# Altium PCB IMX6 DEV BOARD.PcbDoc (part 5 of 12)
Units mm, origin at the board's own origin, x right, y up, seen from the top; angles counter-clockwise.
Board outline 72.05 x 100.23 mm, 8 copper layers (Top Layer, GND 1, Inner 2, PWR 1, PWR 2, Inner 5, GND2, Bottom Layer), stack 1.463 mm thick; 691 components, 568 nets, 3028 pads, 1624 vias.
Unrouted connection lines stored in the file: 1.
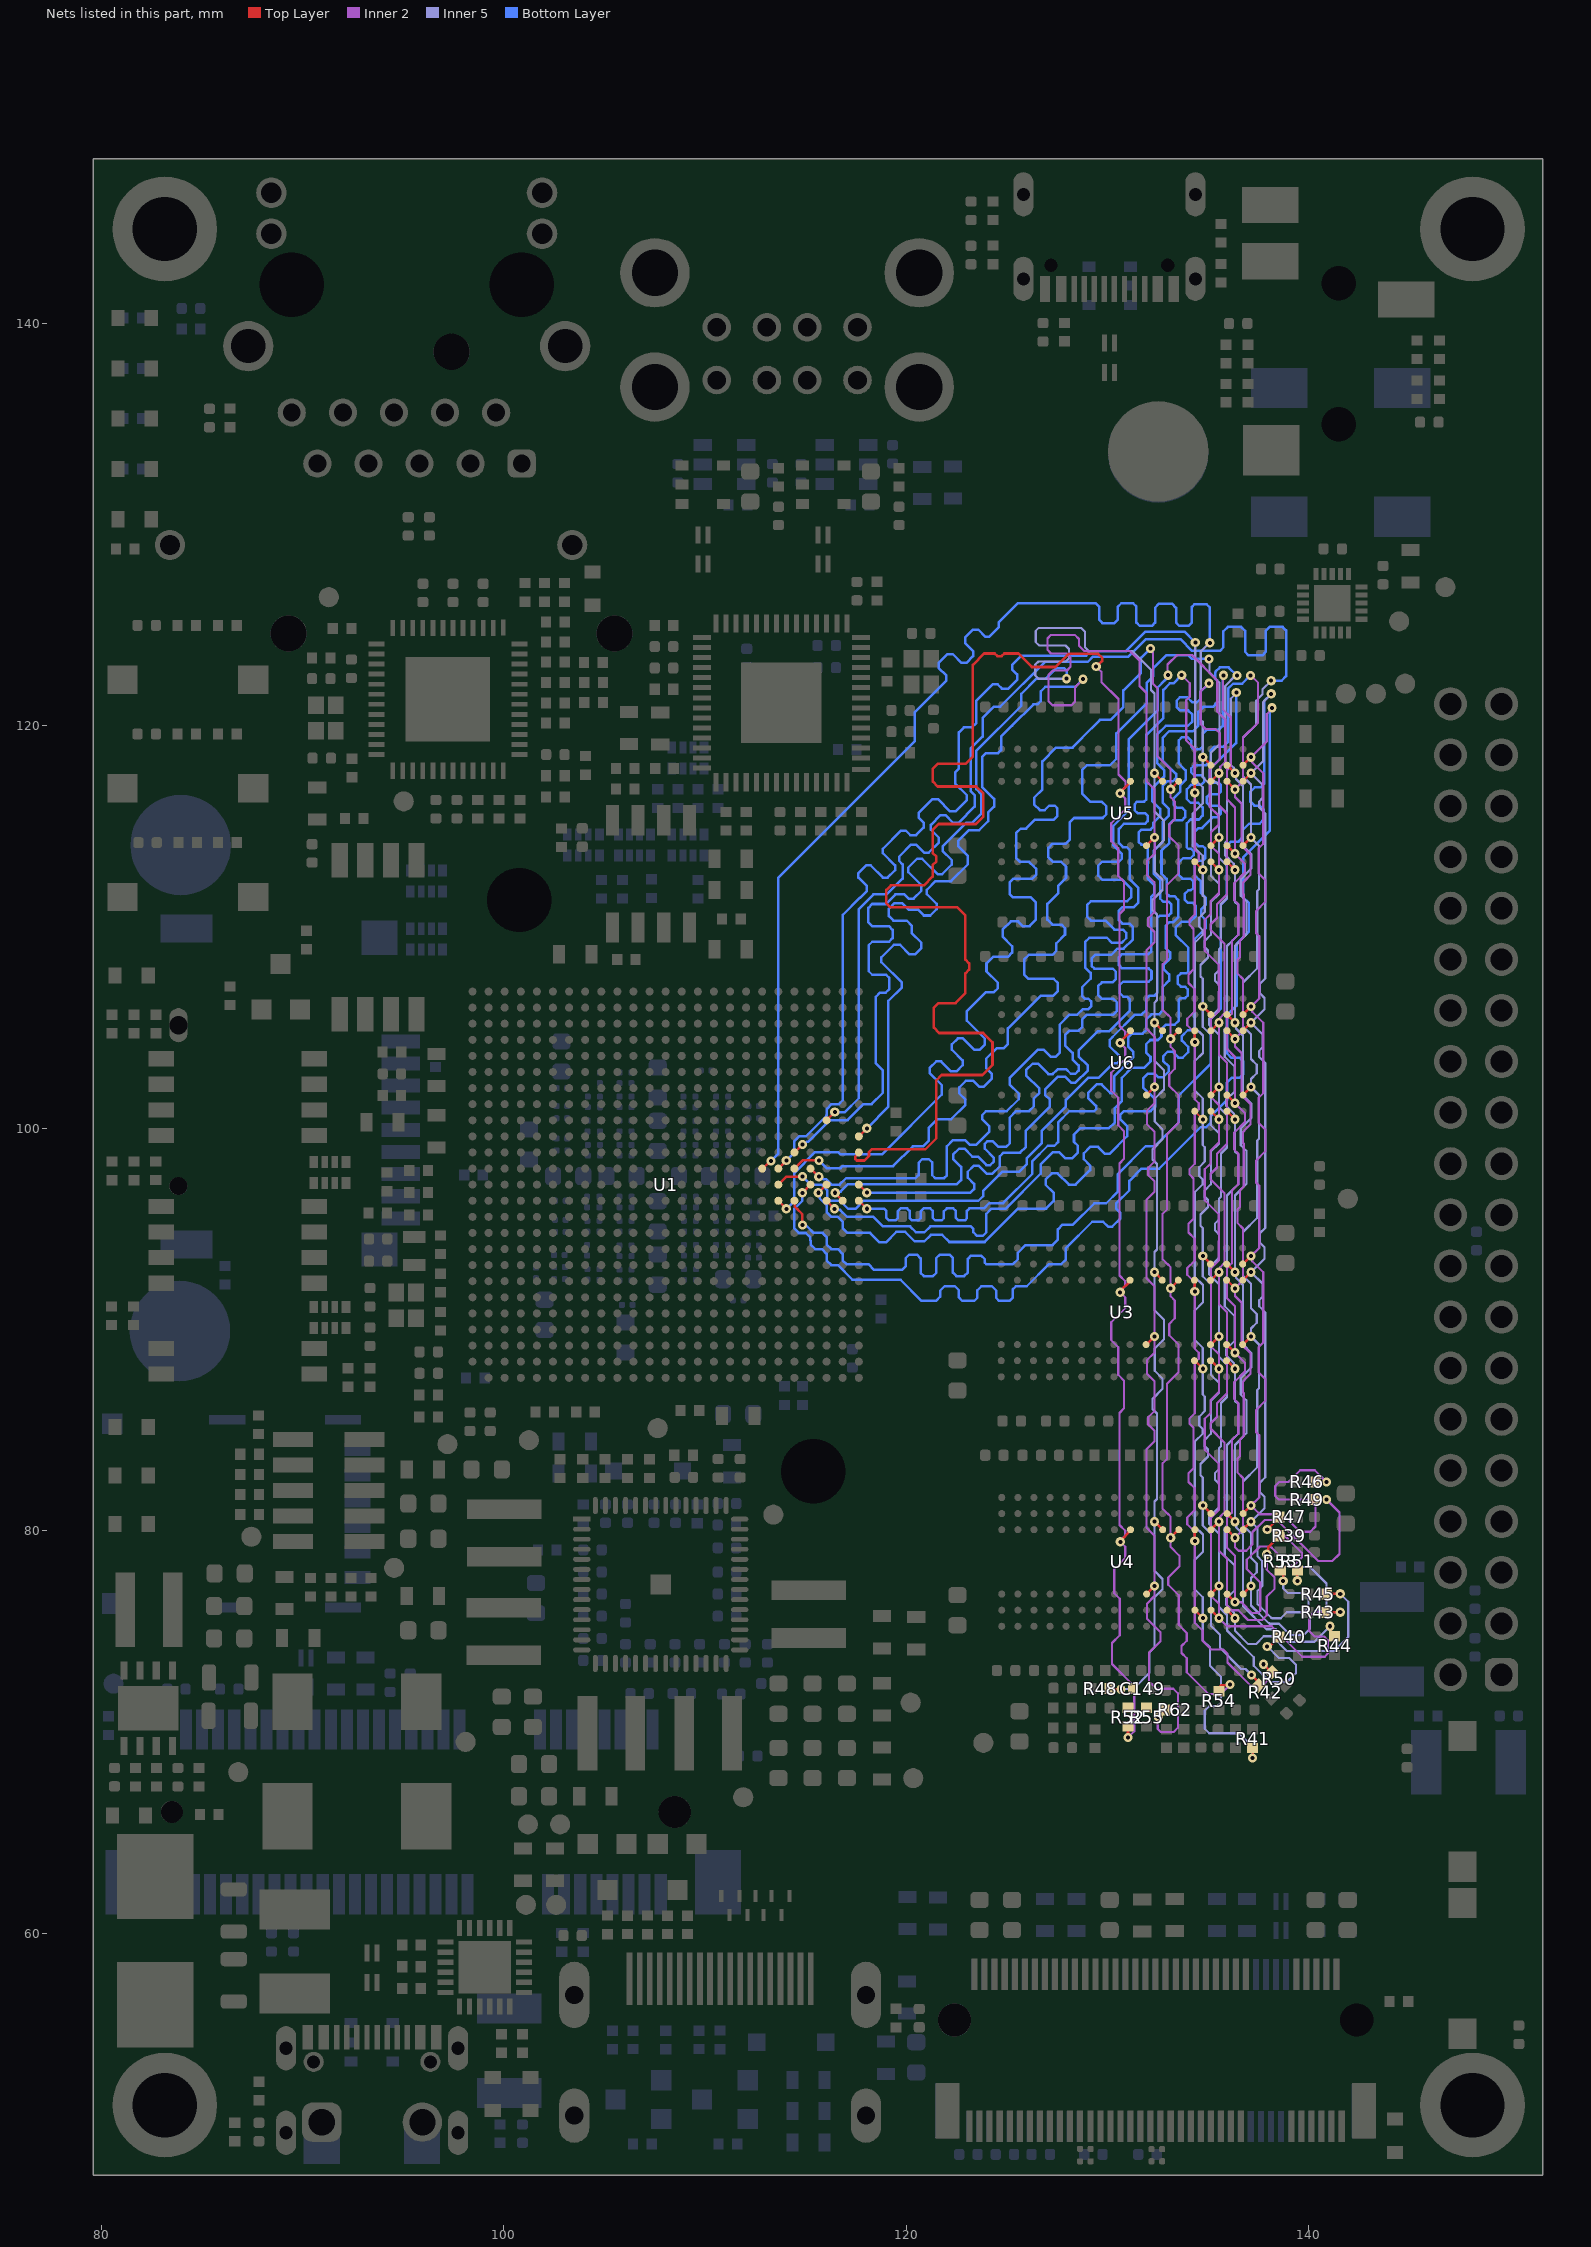
[diagram p11: the nets of this part, all layers, seen from the top]

## Via types
v1: diameter 0.46, hole 0.2, Top Layer to Bottom Layer, tented both sides, 1586 vias
v2: diameter 0.7, hole 0.4, Top Layer to Bottom Layer, 32 vias
v3: diameter 0.46, hole 0.2, Top Layer to Bottom Layer, tented bottom, 6 vias

## Nets (pads, with @x,y where several pads share a name; then routed paths per layer and width w, separated by ;. In a path a pad name is that pad's centre, name@x,y a point inside that pad or via, vN(x,y) a via of type N, cw(c..) or ccw(c..) an arc to the next point about the centre after c; other vN are vias at no path point) (continued)
DRAM_A1: R39.1 U1.AB14 U3.P7 U4.P7 U5.P7 U6.P7 | length 112
  Top Layer w0.125: U1.AB14@115.244,98 115.249,98 115.652,97.598 v1(115.657,97.598) ; U4.P7@135.144,80.05 v1(135.544,80.45) ; U3.P7@135.144,92.45 v1(135.544,92.85) ; U6.P7@135.144,104.85 v1(135.544,105.25) ; U5.P7@135.144,117.25 v1(135.544,117.65) ; v1(137.925,78.832) 137.989,78.896 137.989,79.174 138.533,79.718 R39.1@138.533,79.725
  Inner 2 w0.11: v1(133.019,122.525) 132.994,122.55 132.994,123.05 133.466,123.523 134.206,123.523 135.443,122.285 135.443,122.25 135.466,122.227 135.466,120.714 135.856,120.324 135.856,118.861 135.859,118.857 135.859,118.225 135.606,117.972 135.606,117.712 v1(135.544,117.65) 135.544,116.05 135.941,115.652 135.941,111.631 135.444,111.134 135.444,110.45 135.123,110.129 135.123,109.875 135.816,109.182 135.816,105.711 135.606,105.501 135.606,105.312 v1(135.544,105.25) 135.544,103.65 135.941,103.253 135.941,99.231 135.444,98.734 135.444,98.05 135.123,97.729 135.123,97.475 135.816,96.782 135.816,93.311 135.606,93.101 135.606,92.912 v1(135.544,92.85) 135.544,91.25 135.941,90.853 135.941,86.831 135.444,86.334 135.444,85.65 135.123,85.329 135.123,85.075 135.816,84.382 135.816,80.911 135.606,80.701 135.606,80.512 v1(135.544,80.45) 135.544,79 135.944,78.6 135.944,76.288 136.184,76.048 136.509,76.048 136.99,75.566 137.693,75.566 137.925,75.798 137.925,76.731 138.313,77.119 138.313,77.676 137.925,78.065 v1(137.925,78.832)
  Bottom Layer w0.125: v1(115.657,97.598) 115.745,97.598 115.867,97.475 116.007,97.475 116.279,97.203 116.366,97.203 116.369,97.2 116.692,97.2 117.011,97.518 120.462,97.518 120.615,97.671 120.615,98.285 120.793,98.463 121.133,98.463 121.294,98.302 121.294,97.666 121.435,97.525 121.888,97.525 122.019,97.656 122.019,99.108 122.31,99.4 122.947,99.4 123.172,99.175 123.47,99.175 124.119,99.824 124.119,100.113 123.769,100.463 123.769,100.65 123.966,100.847 124.995,100.847 125.594,101.446 125.594,101.725 125.143,102.176 125.143,102.499 126.56,103.916 126.828,103.916 127.196,103.548 127.423,103.548 127.627,103.752 127.627,105.149 128.125,105.647 128.504,105.647 128.781,105.925 128.868,105.925 128.87,105.927 129.058,105.927 129.194,106.064 129.194,106.307 129.049,106.452 128.864,106.452 128.744,106.573 128.744,107.012 129.165,107.434 129.165,107.728 128.898,107.996 128.898,109.258 129.111,109.471 129.979,109.471 130.231,109.22 130.709,109.22 130.937,109.448 130.937,109.715 130.776,109.875 130.35,109.875 129.9,110.325 129.185,110.325 128.994,110.516 128.994,111.1 129.18,111.286 130.977,111.286 131.194,111.503 131.194,111.9 130.741,112.353 129.748,112.353 129.546,112.554 129.546,113.056 129.74,113.25 130.569,113.25 130.719,113.4 130.719,113.636 130.294,114.061 130.294,115.025 131.054,115.785 131.054,119.335 132.511,120.792 132.511,121.925 132.869,122.284 132.869,122.287 133.019,122.437 v1(133.019,122.525)
DRAM_A2: R40.1 U1.AA14 U3.P3 U4.P3 U5.P3 U6.P3 | length 111.1
  Top Layer w0.125: U1.AA14@114.444,98 114.849,98.405 v1(115.666,98.405) ; U4.P3@135.144,76.85 v1(135.544,77.25) ; U3.P3@135.144,89.25 v1(135.544,89.65) ; U6.P3@135.144,101.65 v1(135.544,102.05) ; U5.P3@135.144,114.05 v1(135.544,114.45) ; v1(137.944,74.25) 138.006,74.312 138.124,74.312 138.324,74.513 138.345,74.513 138.537,74.704 R40.1@138.537,74.725
  Inner 5 w0.11: v1(135.05,123.333) 135.072,123.311 135.072,122.656 135.443,122.285 135.443,122.278 135.578,122.142 135.578,119.084 135.144,118.65 135.144,117.45 135.544,117.05 v1(135.544,114.45) 135.544,113.45 135.941,113.052 135.941,111.447 135.644,111.15 135.644,108.995 135.544,108.895 135.544,107.85 135.344,107.65 135.344,107.35 135.544,107.15 135.544,105.95 135.059,105.465 135.059,105.135 135.544,104.65 v1(135.544,102.05) 135.544,101.05 135.941,100.653 135.941,99.047 135.644,98.75 135.644,96.595 135.544,96.495 135.544,95.45 135.344,95.25 135.344,94.95 135.544,94.75 135.544,93.55 135.059,93.065 135.059,92.735 135.544,92.25 v1(135.544,89.65) 135.544,88.65 135.941,88.253 135.941,86.647 135.644,86.35 135.644,84.195 135.544,84.095 135.544,83.05 135.344,82.85 135.344,82.55 135.544,82.35 135.544,81.15 135.059,80.665 135.059,80.335 135.544,79.85 v1(135.544,77.25) 135.544,76.212 135.946,75.81 135.946,75.035 137.272,73.71 137.272,73.284 138.081,72.475 138.93,72.475 139.37,72.915 139.37,73.349 139.044,73.675 138.519,73.675 v1(137.944,74.25)
  Bottom Layer w0.125: v1(115.666,98.405) 116.047,98.024 116.739,98.024 116.838,98.123 119.353,98.123 120.33,99.1 120.844,99.1 121.119,99.375 121.119,100.025 121.557,100.463 122.24,100.463 122.942,101.165 122.942,101.435 122.639,101.739 122.639,102.034 122.96,102.355 123.339,102.355 123.622,102.072 123.861,102.072 124.261,102.471 124.261,102.708 123.976,102.993 123.976,103.457 124.494,103.975 124.844,103.975 125.058,104.189 125.058,104.964 126.694,106.6 127.319,106.6 127.539,106.82 127.539,107.22 127.334,107.425 126.089,107.425 125.863,107.652 125.863,108.394 126.094,108.625 127.269,108.625 127.469,108.825 127.469,109.2 127.894,109.625 127.894,109.945 127.714,110.125 127.264,110.125 127.019,110.37 127.019,111.15 127.546,111.677 127.546,112.049 127.944,112.446 127.944,113.012 127.941,113.014 127.709,113.248 127.703,113.253 127.281,113.253 127.069,113.465 127.069,113.943 127.275,114.15 127.934,114.15 128.119,114.335 128.119,115.2 128.344,115.425 129.761,115.425 129.944,115.608 129.944,116.011 129.73,116.225 129.169,116.225 128.744,116.65 128.744,117.812 128.979,118.047 130.121,118.047 130.444,118.371 130.444,119.625 131.961,121.141 131.961,122.153 132.269,122.462 132.269,122.856 132.936,123.523 134.007,123.523 134.196,123.333 v1(135.05,123.333)
DRAM_A3: R41.1 U1.Y14 U3.N2 U4.N2 U5.N2 U6.N2 | length 111.1
  Top Layer w0.125: U1.Y14@113.644,98 v1(114.044,98.4) ; U4.N2@134.344,76.05 v1(134.744,75.65) ; U3.N2@134.344,88.45 v1(134.744,88.05) ; U6.N2@134.344,100.85 v1(134.744,100.45) ; U5.N2@134.344,113.25 v1(134.744,112.85) ; v1(137.217,68.707) R41.1@137.217,69.232
  Inner 5 w0.11: v1(134.369,124.15) 134.369,118.95 134.346,118.928 134.346,117.347 134.744,116.95 134.744,116.15 134.244,115.65 134.244,114.05 134.744,113.55 v1(134.744,112.85) 134.744,112.133 134.742,112.132 134.742,111.565 134.844,111.464 134.844,110.75 134.564,110.47 134.564,110.03 134.742,109.852 134.742,109.625 134.346,109.229 134.346,105.026 134.757,104.616 134.757,103.749 134.346,103.339 134.346,101.885 134.744,101.488 v1(134.744,100.45) 134.742,100.448 134.742,99.165 134.844,99.064 134.844,98.35 134.564,98.07 134.564,97.63 134.742,97.452 134.742,97.225 134.346,96.829 134.346,92.626 134.757,92.216 134.757,91.349 134.346,90.939 134.346,89.485 134.744,89.088 v1(134.744,88.05) 134.744,87.281 134.742,87.279 134.742,86.765 134.844,86.664 134.844,85.95 134.564,85.67 134.564,85.23 134.742,85.052 134.742,84.825 134.346,84.429 134.346,80.226 134.757,79.816 134.757,78.949 134.346,78.539 134.346,77.085 134.744,76.688 v1(134.744,75.65) 134.744,74.881 134.742,74.879 134.742,74.55 135.1,74.192 135.1,73.285 135.654,72.731 135.654,71.476 135.452,71.275 135.061,71.275 134.845,71.059 134.845,70.155 135.068,69.932 136.547,69.932 137.217,69.262 v1(137.217,68.707)
  Bottom Layer w0.125: v1(114.044,98.4) 114.441,98.798 114.441,99.325 114.446,99.33 114.446,99.365 114.682,99.6 115.006,99.6 116.027,100.621 116.027,100.642 116.056,100.671 116.056,100.971 116.289,101.204 116.657,101.204 116.846,101.394 116.846,110.607 117.689,111.45 117.694,111.45 118.045,111.801 118.045,112.049 117.629,112.465 117.629,112.685 118.01,113.066 118.239,113.066 118.846,112.459 119.078,112.459 119.445,112.826 119.445,113.066 118.84,113.671 118.84,113.896 119.743,114.799 119.98,114.799 120.203,114.575 120.489,114.575 120.866,114.953 120.866,115.195 120.614,115.447 120.614,115.67 121.308,116.364 121.58,116.364 122.187,115.757 122.457,115.757 123.02,116.32 123.02,116.554 122.436,117.138 122.436,117.692 122.625,117.881 122.625,119.684 122.866,119.925 123.253,119.925 123.485,120.157 123.485,121.258 124.295,122.069 124.55,122.069 124.76,121.859 125.083,121.859 125.511,122.287 125.511,122.558 125.269,122.8 125.269,123.037 125.732,123.5 128.945,123.5 129.17,123.725 130.927,123.725 131.894,124.692 133.827,124.692 v1(134.369,124.15)
DRAM_A4: R42.1 U1.W14 U3.P8 U4.P8 U5.P8 U6.P8 | length 111.1
  Top Layer w0.125: U1.W14@112.844,98 112.869,98 113.25,98.381 v1(113.275,98.381) ; v1(134.744,81.25) U4.P8@135.144,80.85 ; v1(134.744,93.65) U3.P8@135.144,93.25 ; v1(134.744,106.05) U6.P8@135.144,105.65 ; v1(134.744,118.45) U5.P8@135.144,118.05 ; v1(137.161,72.833) 137.537,72.456 R42.1@137.537,72.264
  Inner 5 w0.11: v1(135.094,124.133) 135.073,124.133 134.644,123.703 134.644,120.306 134.744,120.206 v1(134.744,118.45) 134.744,117.45 135.144,117.05 135.144,112.55 135.544,112.15 135.544,111.65 135.144,111.25 135.144,109.62 134.823,109.299 134.823,109.015 135.003,108.835 135.003,108.489 134.634,108.12 134.634,107.551 134.744,107.441 v1(134.744,106.05) 134.744,105.05 135.144,104.65 135.144,100.15 135.544,99.75 135.544,99.25 135.144,98.85 135.144,97.22 134.823,96.899 134.823,96.615 135.003,96.435 135.003,96.089 134.634,95.72 134.634,95.151 134.744,95.041 v1(134.744,93.65) 134.744,92.65 135.144,92.25 135.144,87.75 135.544,87.35 135.544,86.85 135.144,86.45 135.144,84.82 134.823,84.499 134.823,84.215 135.003,84.035 135.003,83.689 134.634,83.32 134.634,82.751 134.744,82.641 v1(134.744,81.25) 134.744,80.261 135.146,79.859 135.146,75.27 135.594,74.822 135.594,74.177 136.646,73.125 136.869,73.125 v1(137.161,72.833)
  Bottom Layer w0.125: v1(113.275,98.381) 113.65,98.755 113.65,112.461 120.434,119.245 120.434,120.69 121.995,122.251 121.995,122.499 121.614,122.879 121.614,123.121 122.061,123.567 122.313,123.567 122.743,123.137 122.992,123.137 123.325,123.47 123.325,123.719 122.929,124.115 122.929,124.399 123.317,124.787 123.582,124.787 123.927,124.442 124.132,124.442 124.591,124.901 124.591,125.152 125.547,126.108 129.412,126.108 129.586,125.934 129.586,125.282 129.758,125.11 130.346,125.11 130.519,125.283 130.519,125.927 130.692,126.1 131.28,126.1 131.444,125.936 131.444,125.141 131.61,124.975 132.213,124.975 132.371,125.133 132.371,125.877 132.575,126.082 133.205,126.082 133.414,125.873 133.414,125.133 133.572,124.975 134.037,124.975 134.2,125.137 134.2,125.922 134.328,126.05 134.928,126.05 135.094,125.884 v1(135.094,124.133)
DRAM_A5: R43.1 U1.AE13 U3.P2 U4.P2 U5.P2 U6.P2 | length 112
  Top Layer w0.125: U1.AE13@117.644,97.2 v1(118.044,96.8) ; U4.P2@135.144,76.05 v1(135.544,75.65) ; U3.P2@135.144,88.45 v1(135.544,88.05) ; U6.P2@135.144,100.85 v1(135.544,100.45) ; U5.P2@135.144,113.25 v1(135.544,112.85) ; R43.1@140.744,75.95 v1(141.575,75.95)
  Inner 2 w0.11: v1(135.045,122.121) 134.646,121.721 134.646,120.08 134.876,119.85 135.364,119.85 135.581,119.633 135.581,118.747 135.584,118.743 135.584,118.339 135.144,117.899 135.094,117.849 135.094,115.975 135.519,115.55 135.519,115.075 135.144,114.7 135.144,114.05 135.544,113.65 v1(135.544,112.85) 135.544,111.702 135.123,111.28 135.123,110.639 134.845,110.362 134.845,108.828 135.54,108.134 135.54,107.116 135.541,107.115 135.541,106.785 135.54,106.784 135.54,105.824 135.144,105.428 135.144,101.563 135.544,101.163 v1(135.544,100.45) 135.544,99.302 135.123,98.88 135.123,98.24 134.845,97.962 134.845,96.428 135.54,95.734 135.54,94.716 135.541,94.715 135.541,94.385 135.54,94.384 135.54,93.424 135.144,93.028 135.144,89.163 135.544,88.763 v1(135.544,88.05) 135.544,86.902 135.123,86.48 135.123,85.84 134.845,85.562 134.845,84.028 135.54,83.334 135.54,82.316 135.541,82.315 135.541,81.985 135.54,81.984 135.54,81.024 135.144,80.628 135.144,76.763 135.544,76.363 v1(135.544,75.65) 135.944,75.25 138.169,75.25 139.68,73.739 140.8,73.739 140.957,73.897 140.957,74.561 140.776,74.742 140.313,74.742 140.039,75.017 140.039,75.701 140.288,75.95 v1(141.575,75.95)
  Bottom Layer w0.125: v1(118.044,96.8) 123.194,96.8 123.372,96.978 123.372,97.241 123.059,97.554 123.059,97.84 123.349,98.13 123.614,98.13 123.998,97.745 124.288,97.745 124.658,98.115 124.658,98.611 124.843,98.796 125.666,98.796 125.946,99.076 125.946,99.89 127.146,101.09 127.146,101.422 126.902,101.667 126.902,101.926 127.547,102.57 127.899,102.57 128.199,102.27 128.413,102.27 129.027,102.884 129.027,103.117 128.569,103.575 128.569,103.871 129.531,104.834 130.103,104.834 131.119,105.85 131.119,106.405 130.974,106.55 130.79,106.55 130.616,106.724 130.616,107.118 130.788,107.289 132.058,107.289 132.193,107.425 132.193,107.81 132.05,107.954 130.731,107.954 130.569,108.116 130.569,108.493 130.732,108.656 132.041,108.656 132.183,108.799 132.183,111.515 132.336,111.668 132.336,112.078 132.019,112.395 132.019,113.975 131.894,114.1 131.689,114.1 131.55,114.239 131.55,114.704 131.696,114.85 132.147,114.85 132.29,114.993 132.29,115.189 132.617,115.516 132.617,115.877 132.224,116.27 132.224,116.884 132.822,117.482 132.822,117.807 132.471,118.158 132.471,119.578 132.905,120.011 134.007,120.011 134.221,120.225 134.221,120.564 134.014,120.771 133.609,120.771 133.437,120.943 133.437,121.254 133.608,121.425 133.971,121.425 134.221,121.175 134.442,121.175 134.616,121.349 134.616,121.691 v1(135.045,122.121)
DRAM_A6: R44.1 U1.AC13 U3.R8 U4.R8 U5.R8 U6.R8 | length 111.1
  Top Layer w0.125: v1(115.634,96.798) 115.638,96.798 116.04,97.2 U1.AC13@116.044,97.2 ; U4.R8@135.944,80.85 v1(136.344,80.45) ; U3.R8@135.944,93.25 v1(136.344,92.85) ; U6.R8@135.944,105.65 v1(136.344,105.25) ; U5.R8@135.944,118.05 v1(136.344,117.65) ; v1(141.069,75.25) 141.069,74.75 R44.1@141.094,74.725
  Inner 5 w0.11: v1(136.409,121.661) 136.409,121.627 136.134,121.352 136.134,118.071 136.282,117.923 136.282,117.712 v1(136.344,117.65) 136.393,117.601 136.393,117.366 136.744,117.016 136.744,114.05 137.155,113.639 137.155,112.911 136.631,112.387 136.631,111.563 136.909,111.285 136.909,109.637 136.592,109.32 136.592,109.309 136.344,109.061 v1(136.344,105.25) 136.393,105.201 136.393,104.966 136.744,104.616 136.744,101.65 137.155,101.239 137.155,100.511 136.631,99.987 136.631,99.163 136.909,98.885 136.909,97.237 136.592,96.92 136.592,96.909 136.344,96.661 v1(136.344,92.85) 136.393,92.801 136.393,92.566 136.744,92.216 136.744,89.25 137.155,88.839 137.155,88.111 136.631,87.587 136.631,86.763 136.909,86.485 136.909,84.837 136.592,84.52 136.592,84.509 136.344,84.261 v1(136.344,80.45) 136.406,80.388 136.406,80.163 136.746,79.823 136.746,76.256 137.902,75.1 138.369,75.1 138.988,74.481 140.3,74.481 v1(141.069,75.25)
  Bottom Layer w0.125: v1(115.634,96.798) 115.694,96.738 115.694,96.525 116.041,96.178 116.041,95.835 116.279,95.598 116.609,95.598 116.844,95.362 116.844,95.038 117.079,94.803 118.209,94.803 118.677,94.334 118.991,94.334 119.504,94.848 119.566,94.848 119.569,94.85 119.953,94.85 120.427,94.376 120.899,94.376 121.225,94.701 121.794,94.701 122.145,94.35 123.894,94.35 125.55,96.006 126.95,96.006 127.328,96.384 127.328,96.804 126.935,97.197 126.935,97.45 127.21,97.725 127.216,97.725 127.246,97.755 127.528,97.755 128.083,97.2 128.419,97.2 129.144,97.925 129.144,98.15 128.831,98.463 128.831,98.762 129.144,99.075 129.544,99.075 129.886,98.733 130.109,98.733 130.982,99.606 130.982,100.112 130.646,100.448 130.646,100.677 130.821,100.852 132.146,100.852 132.369,101.075 132.369,101.45 132.269,101.55 131.779,102.04 131.779,102.485 132.004,102.71 132.359,102.71 132.535,102.534 132.754,102.534 133.056,102.836 133.056,103.063 132.771,103.348 132.771,103.58 133.001,103.81 133.234,103.81 133.529,103.515 133.748,103.515 134.022,103.789 134.022,104.044 133.704,104.362 133.704,104.585 133.994,104.875 134.168,104.875 134.341,105.049 134.341,109.406 134.898,109.962 134.898,110.341 134.673,110.566 134.673,110.901 134.892,111.121 134.892,111.453 134.647,111.698 134.647,112.275 134.344,112.578 134.344,113.119 134.525,113.3 134.744,113.3 134.869,113.425 134.869,113.899 134.743,114.025 134.539,114.025 134.344,114.22 134.344,114.733 134.534,114.923 134.703,114.923 135.246,115.465 135.461,115.465 135.644,115.648 135.644,115.88 135.485,116.039 135.082,116.039 134.95,116.171 134.95,116.475 135.089,116.614 135.528,116.614 135.644,116.729 135.644,117.071 135.526,117.188 135.23,117.188 135.098,117.321 135.098,117.853 136.395,119.15 136.395,121.647 v1(136.409,121.661)
DRAM_A7: R45.1 U1.Y13 U3.R2 U4.R2 U5.R2 U6.R2 | length 111.1
  Top Layer w0.125: U1.Y13@113.644,97.2 114.044,97.6 v1(114.844,97.6) ; U4.R2@135.944,76.05 v1(136.344,75.65) ; U3.R2@135.944,88.45 v1(136.344,88.05) ; U6.R2@135.944,100.85 v1(136.344,100.45) ; U5.R2@135.944,113.25 v1(136.344,112.85) ; R45.1@140.917,76.85 140.929,76.863 v1(141.575,76.863)
  Inner 5 w0.11: v1(136.437,122.505) 136.374,122.505 135.859,121.99 135.859,117.957 135.941,117.875 135.941,114.285 135.844,114.188 135.844,113.588 136.282,113.15 136.282,112.912 v1(136.344,112.85) 136.344,111.25 136.5,111.094 136.5,109.617 136.214,109.33 136.212,109.33 135.944,109.062 135.944,105.05 135.833,104.939 135.833,103.561 136.329,103.065 136.329,101.835 135.909,101.416 135.909,101.108 136.289,100.728 136.289,100.505 v1(136.344,100.45) 136.344,98.85 136.5,98.694 136.5,97.217 136.214,96.93 136.212,96.93 135.944,96.662 135.944,92.65 135.833,92.539 135.833,91.161 136.329,90.665 136.329,89.435 135.909,89.016 135.909,88.708 136.289,88.328 136.289,88.105 v1(136.344,88.05) 136.344,86.45 136.5,86.294 136.5,84.817 136.214,84.53 136.212,84.53 135.944,84.262 135.944,80.25 135.833,80.139 135.833,78.761 136.329,78.265 136.329,77.035 135.909,76.616 135.909,76.308 136.289,75.928 136.289,75.705 v1(136.344,75.65) 136.344,75.026 137.008,74.362 137.384,74.362 137.773,74.751 138.192,74.751 138.919,74.025 141.278,74.025 141.972,74.719 141.972,76.465 v1(141.575,76.863)
  Bottom Layer w0.125: v1(114.844,97.6) 115.244,97.2 115.794,97.2 116.071,96.923 116.071,96.573 116.244,96.4 116.719,96.4 117.119,96 117.479,96 117.879,96.4 123.196,96.4 123.594,96.4 123.819,96.625 123.819,96.887 124.782,97.85 125.63,97.85 126.001,98.221 126.001,98.52 126.744,99.263 126.744,99.888 127.941,101.085 127.941,101.41 129.056,102.524 129.573,102.524 130.275,103.225 130.469,103.225 130.593,103.349 130.593,103.601 130.113,104.08 130.113,104.395 130.219,104.5 130.269,104.55 131.366,105.647 131.704,105.647 131.941,105.885 131.941,106.457 132.085,106.6 132.344,106.6 132.477,106.733 132.477,110.444 132.608,110.575 133.044,110.575 133.169,110.7 133.169,111.143 133.041,111.271 132.769,111.271 132.627,111.412 132.627,112.328 132.294,112.661 132.294,113.792 132.741,114.239 132.741,115.223 133.048,115.529 133.048,115.896 132.746,116.197 132.746,117.015 132.982,117.25 133.258,117.25 133.413,117.406 133.413,117.618 132.746,118.285 132.746,119.41 133.073,119.736 134.244,119.736 134.523,120.015 134.523,120.704 134.769,120.95 135.247,120.95 135.456,121.158 135.456,122.265 135.371,122.349 135.371,122.679 135.381,122.688 135.381,122.698 135.594,122.912 136.031,122.912 v1(136.437,122.505)
DRAM_A8: R46.1 U1.AB13 U3.T8 U4.T8 U5.T8 U6.T8 | length 112
  Top Layer w0.125: v1(114.839,96.795) U1.AB13@115.244,97.2 ; U4.T8@136.744,80.85 v1(137.144,81.25) ; U3.T8@136.744,93.25 v1(137.144,93.65) ; U6.T8@136.744,105.65 v1(137.144,106.05) ; U5.T8@136.744,118.05 v1(137.144,118.45) ; R46.1@140.369,82.425 v1(140.887,82.425)
  Inner 2 w0.11: v1(138.189,120.9) 138.189,120.854 137.919,120.584 137.919,119.225 v1(137.144,118.45) 137.206,118.388 137.206,118.188 137.744,117.65 137.744,114.15 137.526,113.932 137.526,112.668 137.854,112.34 137.854,111.26 137.388,110.794 137.388,109.706 137.544,109.55 137.544,106.45 v1(137.144,106.05) 137.206,105.988 137.206,105.788 137.744,105.25 137.744,101.75 137.526,101.532 137.526,100.268 137.854,99.94 137.854,98.86 137.388,98.394 137.388,97.306 137.544,97.15 137.544,94.05 v1(137.144,93.65) 137.206,93.588 137.206,93.388 137.744,92.85 137.744,89.35 137.526,89.132 137.526,87.868 137.854,87.54 137.854,86.46 137.388,85.994 137.388,84.906 137.544,84.75 137.544,81.65 v1(137.144,81.25) 137.505,80.889 137.573,80.821 138.697,80.821 139.572,79.945 140.088,79.945 140.348,80.205 140.348,81.216 140.014,81.55 138.519,81.55 138.344,81.725 138.344,82.225 138.544,82.425 139.007,82.425 139.582,83 140.312,83 v1(140.887,82.425)
  Bottom Layer w0.125: v1(114.839,96.795) 114.844,96.79 114.844,96.4 114.446,96.003 114.446,95.023 114.671,94.798 115.009,94.798 115.241,94.565 115.241,94.425 115.246,94.42 115.246,94.235 115.482,94 115.806,94 116.043,93.763 116.043,93.439 116.28,93.202 116.604,93.202 117.331,92.475 119.719,92.475 120.769,91.425 121.483,91.425 121.694,91.636 121.694,91.934 121.91,92.15 122.421,92.15 122.619,91.952 122.619,91.594 122.788,91.425 123.383,91.425 123.538,91.579 123.538,91.951 123.736,92.15 124.258,92.15 124.475,91.933 124.475,91.572 124.622,91.425 125.137,91.425 125.287,91.575 125.287,91.986 125.451,92.15 125.994,92.15 127.096,93.253 127.709,93.253 127.941,93.485 127.941,94.051 129.248,95.358 129.786,95.358 130.034,95.11 130.242,95.11 130.649,95.517 130.649,95.795 130.452,95.992 130.452,96.281 131.094,96.922 131.094,97.385 131.703,97.994 132.578,97.994 134.637,100.052 134.909,100.052 135.144,100.288 135.144,100.612 135.946,101.415 135.946,102.277 136.194,102.525 136.59,102.525 136.756,102.69 136.756,103.325 136.58,103.5 136.177,103.5 135.946,103.731 135.946,105.628 136.419,106.1 136.419,109.166 137.016,109.763 137.016,111.214 136.746,111.484 136.746,113.46 138.066,114.78 138.066,120.69 138.189,120.812 v1(138.189,120.9)
DRAM_A9: R47.1 U1.AE12 U3.R3 U4.R3 U5.R3 U6.R3 | length 112
  Top Layer w0.125: U1.AE12@117.644,96.4 v1(118.044,96.003) ; U4.R3@135.944,76.85 v1(136.344,76.45) ; U3.R3@135.944,89.25 v1(136.344,88.85) ; U6.R3@135.944,101.65 v1(136.344,101.25) ; U5.R3@135.944,114.05 v1(136.344,113.65) ; v1(137.946,80.064) 138.345,80.463 138.345,80.492 R47.1@138.537,80.683
  Inner 2 w0.11: v1(135.769,122.514) 135.741,122.487 135.741,120.828 136.144,120.425 136.144,118.961 ; 136.131,118.975 136.144,118.961 ; v1(137.946,80.064) 138.505,80.064 139.666,78.903 139.666,78.664 139.28,78.279 139.04,78.279 138.169,79.15 138.157,79.15 138.09,79.217 137.586,79.217 136.924,78.555 136.924,78.095 137.594,77.425 137.594,76.024 137.474,75.904 137.201,75.904 136.666,76.439 136.355,76.439 v1(136.344,76.45) 136.344,78.75 135.944,79.15 135.944,80.65 136.188,80.894 136.188,84.504 136.5,84.817 136.5,86.346 136.306,86.541 136.306,87.38 136.844,87.918 136.844,88.35 v1(136.344,88.85) 136.344,91.15 135.944,91.55 135.944,93.05 136.188,93.294 136.188,96.904 136.5,97.217 136.5,98.746 136.306,98.941 136.306,99.78 136.844,100.318 136.844,100.75 v1(136.344,101.25) 136.344,103.55 135.944,103.95 135.944,105.45 136.188,105.694 136.188,109.304 136.5,109.617 136.5,111.146 136.306,111.341 136.306,112.18 136.844,112.718 136.844,113.15 v1(136.344,113.65) 136.344,115.95 135.944,116.35 135.944,117.05 135.946,117.052 135.946,117.815 136.144,118.012 136.144,118.961
  Bottom Layer w0.125: v1(118.044,96.003) 118.046,96 118.916,96 119.019,95.897 119.019,95.55 119.144,95.425 119.465,95.425 119.569,95.528 119.569,95.872 119.722,96.025 120.041,96.025 120.169,95.897 120.169,95.55 120.294,95.425 120.615,95.425 120.719,95.528 120.719,95.872 120.867,96.02 121.196,96.02 121.319,95.897 121.319,95.55 121.444,95.425 121.765,95.425 121.869,95.528 121.869,95.872 122.022,96.025 122.341,96.025 122.469,95.897 122.469,95.55 122.594,95.425 122.915,95.425 123.019,95.528 123.019,95.9 123.144,96.025 123.868,96.025 124.129,96.286 124.82,96.286 126.276,97.742 126.276,98.373 127.036,99.132 127.367,99.132 127.546,99.312 127.546,100.293 128.103,100.85 129.344,100.85 129.441,100.947 129.441,101.117 129.045,101.514 129.045,101.764 129.466,102.184 129.708,102.184 130.143,101.75 130.246,101.75 130.344,101.847 130.344,102.593 131.295,103.544 131.295,103.799 131.034,104.06 131.034,104.415 131.034,104.518 131.22,104.705 131.752,104.705 131.944,104.897 131.944,105.423 132.189,105.668 132.561,105.668 132.746,105.853 132.746,106.215 132.752,106.22 132.752,107.021 133.069,107.339 133.069,107.65 132.794,107.925 132.794,108.125 133.119,108.45 133.119,108.75 132.896,108.973 132.896,110.067 133.083,110.254 133.284,110.254 133.519,110.489 133.519,111.355 133.328,111.546 133.079,111.546 132.944,111.681 132.944,112.4 132.69,112.654 132.69,113.799 133.081,114.19 133.081,114.746 ; v1(135.769,122.514) 135.731,122.476 135.731,119.997 135.534,119.8 134.919,119.8 134.746,119.627 134.746,118.987 134.609,118.85 134.284,118.85 134.162,118.972 134.162,119.27 134,119.432 133.695,119.432 133.547,119.284 133.547,119.085 133.546,118.139 133.894,117.791 133.894,117.314 133.633,117.053 133.633,116.733 133.297,116.398 133.297,116.09 133.459,115.929 133.725,115.929 133.869,115.784 133.869,115.47 133.706,115.307 133.267,115.307 133.082,115.122 133.082,114.747 ; 133.081,114.746 133.082,114.747
DRAM_A10: R48.1 U1.AA15 U3.L7 U4.L7 U5.L7 U6.L7 | length 111.1
  Top Layer w0.125: U1.AA15@114.444,98.8 v1(114.844,99.2) ; R48.1@130.126,72.15 130.151,72.125 v1(130.675,72.125) ; v1(132.341,80.45) U4.L7@132.743,80.05 ; v1(132.341,92.85) U3.L7@132.743,92.45 ; v1(132.341,105.25) U6.L7@132.744,104.85 ; v1(132.341,117.65) U5.L7@132.744,117.25
  Inner 5 w0.11: v1(127.969,122.35) 126.58,122.35 126.419,122.511 126.419,123.051 126.576,123.208 127.935,123.208 128.094,123.366 128.094,123.829 127.921,124.002 126.609,124.002 126.444,124.167 126.444,124.725 126.594,124.875 128.694,124.875 128.894,124.675 128.894,123.896 129.067,123.723 131.244,123.723 132.171,122.795 132.171,121.787 132.341,121.617 132.341,117.652 v1(132.341,117.65) v1(132.341,117.65) 132.341,115.752 132.812,115.282 132.812,114.316 132.351,113.854 132.351,112.743 132.744,112.35 132.744,111.85 132.244,111.35 132.244,110.85 132.469,110.625 132.469,106.375 132.341,106.247 v1(132.341,105.25) 132.341,103.353 132.812,102.882 132.812,101.933 132.351,101.471 132.351,100.343 132.744,99.95 132.744,99.45 132.244,98.95 132.244,98.45 132.469,98.225 132.469,93.975 132.341,93.848 v1(132.341,92.85) 132.341,90.953 132.812,90.482 132.812,89.522 132.351,89.06 132.351,87.943 132.744,87.55 132.744,87.05 132.244,86.55 132.244,86.05 132.469,85.825 132.469,81.575 132.341,81.448 v1(132.341,80.45) 132.341,78.003 132.741,77.603 132.741,77.085 132.336,76.68 132.336,74.492 132.336,74.192 132.085,73.941 132.085,72.929 131.28,72.125 v1(130.675,72.125)
  Bottom Layer w0.125: v1(114.844,99.2) 114.932,99.2 115.057,99.325 115.12,99.325 116.203,100.408 116.283,100.408 116.284,100.409 117.091,100.409 117.884,101.203 118.277,101.203 118.844,101.77 118.844,102.875 118.494,103.225 118.494,106.539 118.704,106.75 118.986,106.75 119.169,106.933 119.169,107.469 119.004,107.634 118.314,107.634 118.14,107.808 118.14,109.102 118.313,109.275 119.155,109.275 119.33,109.45 119.33,109.865 119.146,110.05 118.305,110.05 118.119,110.236 118.119,110.962 118.307,111.15 118.993,111.15 119.468,111.625 119.913,111.625 120.117,111.421 120.365,111.421 120.748,111.804 120.748,112.096 120.103,112.741 120.103,112.959 120.544,113.4 120.794,113.4 121.559,112.635 121.792,112.635 122.264,113.107 122.264,113.33 121.815,113.779 121.815,114.011 123.003,115.199 123.302,115.199 123.728,115.625 123.728,116.627 123.494,116.861 123.494,118.769 125.719,120.994 125.719,121.596 126.473,122.35 126.942,122.35 127.467,122.875 127.846,122.875 127.969,122.752 v1(127.969,122.35)
DRAM_A11: R49.1 U1.AC12 U3.R7 U4.R7 U5.R7 U6.R7 | length 112
  Top Layer w0.125: U1.AC12@116.034,96.4 116.041,96.4 116.439,96.003 v1(116.439,96) ; U4.R7@135.944,80.05 v1(136.344,79.65) ; U3.R7@135.944,92.45 v1(136.344,92.05) ; U6.R7@135.944,104.85 v1(136.344,104.45) ; U5.R7@135.944,117.25 v1(136.344,116.85) ; R49.1@140.369,81.55 v1(140.887,81.55)
  Inner 2 w0.11: v1@137.119,122.525 137.494,122.15 137.494,120.177 136.739,119.421 136.739,119.318 136.744,119.313 136.744,118.75 136.744,117.25 v1(136.344,116.85) 136.344,116.47 136.672,116.142 136.672,114.06 137.119,113.613 137.119,112.604 136.813,112.298 136.813,112.281 136.746,112.215 136.746,111.658 136.775,111.629 136.775,109.503 136.592,109.32 136.592,108.498 136.463,108.369 136.463,107.702 136.741,107.424 136.741,104.847 v1(136.344,104.45) 136.344,104.07 136.672,103.742 136.672,101.66 137.119,101.213 137.119,100.204 136.813,99.898 136.813,99.881 136.746,99.815 136.746,99.258 136.775,99.229 136.775,97.103 136.592,96.92 136.592,96.098 136.463,95.969 136.463,95.302 136.741,95.024 136.741,92.448 v1(136.344,92.05) 136.344,91.67 136.672,91.342 136.672,89.26 137.119,88.813 137.119,87.804 136.813,87.498 136.813,87.481 136.746,87.415 136.746,86.858 136.775,86.829 136.775,84.703 136.592,84.52 136.592,83.698 136.463,83.569 136.463,82.902 136.741,82.624 136.741,80.048 v1(136.344,79.65) 136.344,79.178 136.518,79.004 136.898,79.004 137.215,79.321 137.215,79.933 137.807,80.525 138.444,80.525 140.469,78.5 141.194,78.5 141.533,78.839 141.533,80.904 v1(140.887,81.55)
  Bottom Layer w0.125: v1(116.439,96) 116.491,95.948 116.721,95.948 117.069,95.6 118.369,95.6 118.841,95.128 120.191,95.128 120.486,94.833 120.908,94.833 121.199,95.125 123.219,95.125 123.338,95.006 123.338,94.834 123.522,94.65 123.805,94.65 123.98,94.825 123.98,95.748 124.243,96.011 124.955,96.011 126.685,97.741 126.685,98.209 127.292,98.817 127.602,98.817 127.899,98.52 128.264,98.52 128.533,98.79 128.533,99.136 128.341,99.328 128.341,99.69 128.647,99.995 130.064,99.995 130.369,100.3 130.369,101 130.719,101.35 130.719,102.515 131.204,103 131.819,103 132.144,103.325 132.144,103.55 131.923,103.771 131.923,104.179 132.134,104.39 132.509,104.39 132.69,104.571 132.69,104.938 132.904,105.151 133.351,105.151 133.541,105.342 133.541,106.368 133.645,106.472 133.867,106.472 133.994,106.599 133.994,106.903 133.857,107.04 133.653,107.04 133.494,107.199 133.494,107.539 133.654,107.7 133.919,107.7 134.019,107.8 134.019,108.983 133.394,109.608 133.394,109.972 133.697,110.275 134.12,110.275 134.398,110.553 134.398,111.055 134.25,111.203 134.007,111.203 133.839,111.371 133.839,111.645 134.019,111.825 134.142,111.825 134.272,111.954 134.272,112.262 134.119,112.414 133.733,112.414 133.546,112.601 133.546,113.202 133.769,113.425 134.142,113.425 134.294,113.577 134.294,113.768 134.171,113.891 134.02,113.891 133.946,113.965 133.946,115.159 134.138,115.35 134.544,115.35 134.738,115.544 134.738,115.956 134.519,116.175 134.144,116.175 133.944,116.375 133.944,116.848 134.183,117.086 134.671,117.086 134.819,117.234 134.819,117.401 134.67,117.55 134.308,117.55 134.169,117.689 134.169,117.899 134.322,118.052 134.908,118.052 135.141,118.285 135.141,118.799 135.315,118.973 135.767,118.973 136.006,119.212 136.006,121.855 136.249,122.099 136.693,122.099 v1@137.119,122.525
  other v1: 137.119,122.505
DRAM_A12: R50.1 U1.AD12 U3.N7 U4.N7 U5.N7 U6.N7 | length 112
  Top Layer w0.125: v1(116.468,96.798) 116.468,96.787 116.844,96.411 U1.AD12@116.844,96.4 ; v1(134.344,79.484) U4.N7@134.344,80.05 ; v1(134.344,91.884) U3.N7@134.344,92.45 ; v1(134.344,104.284) U6.N7@134.344,104.85 ; v1(134.344,116.684) U5.N7@134.344,117.25 ; v1(137.756,73.362) 138.129,72.989 R50.1@138.204,72.989
  Inner 2 w0.11: v1(133.694,122.525) 134.091,122.128 134.091,121.446 133.919,121.273 133.919,119.275 134.344,118.85 v1(134.344,116.684) 134.344,113.85 134.544,113.65 134.544,113.35 134.344,113.15 134.344,110.639 134.089,110.384 134.089,110.105 134.283,109.911 134.283,107.903 134.031,107.651 134.031,107.221 134.344,106.908 134.344,105.825 133.972,105.452 133.972,105.122 134.344,104.75 v1(134.344,104.284) 134.344,101.45 134.544,101.25 134.544,100.95 134.344,100.75 134.344,98.239 134.089,97.984 134.089,97.705 134.283,97.511 134.283,95.503 134.031,95.251 134.031,94.821 134.344,94.508 134.344,93.425 133.972,93.052 133.972,92.722 134.344,92.35 v1(134.344,91.884) 134.344,89.05 134.544,88.85 134.544,88.55 134.344,88.35 134.344,85.839 134.089,85.584 134.089,85.305 134.283,85.111 134.283,83.103 134.031,82.851 134.031,82.421 134.344,82.108 134.344,81.025 133.972,80.652 133.972,80.322 134.344,79.95 v1(134.344,79.484) 134.344,75.425 134.742,75.027 134.742,74.515 135.162,74.095 135.754,74.095 135.966,73.882 135.966,73.453 137.123,72.296 137.709,72.296 138.048,72.635 138.048,73.07 v1(137.756,73.362)
  Bottom Layer w0.125: v1(116.468,96.798) 116.53,96.859 116.74,96.859 117.106,97.225 122.521,97.225 122.727,97.431 122.727,98.082 122.337,98.472 122.337,98.692 122.636,98.992 122.888,98.992 123.284,98.596 123.565,98.596 123.992,98.169 124.179,98.169 124.364,98.354 124.364,98.533 123.906,98.992 123.906,99.222 124.047,99.364 124.29,99.364 124.579,99.075 124.968,99.075 125.146,99.253 125.146,100.532 125.467,100.852 126.109,100.852 126.341,101.085 126.341,101.473 126.619,101.75 126.619,101.975 125.958,102.636 125.958,102.889 126.291,103.222 126.544,103.222 127.07,102.695 127.282,102.695 127.433,102.845 127.439,102.845 127.541,102.947 127.947,102.947 128.181,102.713 128.407,102.713 128.566,102.872 128.566,103.128 128.269,103.425 128.269,103.75 127.902,104.117 127.902,104.646 128.109,104.852 128.574,104.852 128.746,105.025 128.746,105.415 128.984,105.652 130.298,105.652 130.469,105.823 130.469,106.265 130.286,106.448 129.718,106.448 129.544,106.622 129.544,107.069 129.725,107.25 130.252,107.25 130.419,107.417 130.419,107.784 130.268,107.936 129.36,107.936 129.219,108.077 129.219,108.452 129.392,108.625 130.194,108.625 130.5,108.931 130.809,108.931 131.269,109.391 131.269,110.004 131.098,110.175 130.743,110.175 130.569,110.349 130.569,110.822 130.747,111 131.322,111 131.531,111.209 131.531,111.963 131.124,112.37 131.124,113.816 130.964,113.975 130.769,113.975 130.569,114.175 130.569,114.885 130.816,115.132 131.861,115.132 132.001,115.273 132.001,115.543 131.88,115.664 131.498,115.664 131.35,115.811 131.35,116.103 131.483,116.236 131.83,116.236 131.941,116.348 131.941,119.55 132.786,120.394 132.786,121.797 133.102,122.113 133.282,122.113 v1(133.694,122.525)
DRAM_A13: R51.1 U1.AC17 U3.T3 U4.T3 U5.T3 U6.T3 | length 111.1
  Top Layer w0.125: U1.AC17@116.044,100.4 U1.AC17@116.044,100.4 116.452,100.806 v1(116.453,100.806) ; U4.T3@136.744,76.85 v1(137.144,77.25) ; U3.T3@136.744,89.25 v1(137.144,89.65) ; U6.T3@136.744,101.65 v1(137.144,102.05) ; U5.T3@136.744,114.05 v1(137.144,114.45) ; v1(139.444,77.507) R51.1@139.444,78.025
  Inner 5 w0.11: v1(138.144,122.25) 137.716,121.822 137.716,121.578 137.394,121.256 137.394,120.062 136.746,119.415 136.746,117.848 136.746,117.485 137.144,117.088 v1(137.144,114.45) 137.541,114.052 137.541,111.885 137.453,111.797 137.453,107.96 136.744,107.25 136.744,105.075 137.144,104.675 137.144,103.45 137.428,103.166 137.428,102.734 137.144,102.45 v1(137.144,102.05) 137.541,101.653 137.541,99.485 137.453,99.397 137.453,95.56 136.744,94.85 136.744,92.675 137.144,92.275 137.144,91.05 137.428,90.766 137.428,90.334 137.144,90.05 v1(137.144,89.65) 137.541,89.253 137.541,87.085 137.453,86.997 137.453,83.16 136.744,82.45 136.744,80.275 137.144,79.875 137.144,78.65 137.428,78.366 137.428,77.934 137.144,77.65 v1(137.144,77.25) 137.144,76.284 138.028,75.4 138.043,75.4 138.065,75.378 138.529,75.378 139.098,74.809 139.747,74.809 140.071,75.133 140.071,75.753 140.34,76.021 140.659,76.021 140.889,76.252 140.889,77.38 140.077,78.192 139.697,78.192 139.444,77.939 v1(139.444,77.507)
  Bottom Layer w0.125: v1(116.453,100.806) 116.953,100.806 117.641,101.495 117.641,103.247 117.646,103.253 117.646,110.9 118.371,111.625 119.031,111.625 119.82,112.414 119.82,113.124 119.654,113.29 119.654,113.51 120.245,114.101 120.493,114.101 120.886,113.708 121.123,113.708 121.625,114.209 121.625,114.444 121.228,114.841 121.228,115.084 121.711,115.567 121.952,115.567 122.34,115.179 122.594,115.179 123.403,115.988 123.403,116.563 123.219,116.747 123.219,118.9 123.794,119.475 123.794,120.39 124.366,120.962 124.675,120.962 126.901,123.189 129.023,123.189 129.284,123.45 131.044,123.45 131.91,124.316 133.628,124.316 134.209,123.735 135.592,123.735 135.769,123.912 135.769,124.708 135.986,124.925 136.651,124.925 136.853,124.723 136.853,123.683 137.025,123.511 137.702,123.511 137.869,123.679 137.869,124.725 138.069,124.925 138.708,124.925 138.888,124.745 138.888,122.473 138.667,122.253 138.147,122.253 v1(138.144,122.25)
DRAM_A14: R53.1 U1.AA12 U3.T7 U4.T7 U5.T7 U6.T7 | length 111.1
  Top Layer w0.125: U1.AA12@114.444,96.4 114.455,96.388 114.455,96.113 114.596,95.973 114.598,95.973 114.816,95.754 114.816,95.753 114.844,95.725 v1(114.844,95.2) ; U4.T7@136.744,80.05 v1(137.144,80.45) ; U3.T7@136.744,92.45 v1(137.144,92.85) ; U6.T7@136.744,104.85 v1(137.144,105.25) ; U5.T7@136.744,117.25 v1(137.144,117.65) ; R53.1@138.719,77.95 138.741,77.927 v1(138.741,77.5)
  Inner 5 w0.11: v1@137.082,117.712 v1(137.144,117.65) ; v1(138.144,121.6) 138.144,121.582 137.75,121.188 137.75,118.256 v1(137.144,117.65) ; v1(138.741,77.5) 138.741,77.129 138.969,76.902 139.767,76.902 140,76.669 140,76.156 139.794,75.95 138.919,75.95 138.621,75.653 138.179,75.653 138.157,75.675 138.142,75.675 137.469,76.348 137.469,77.013 137.703,77.247 137.703,78.48 137.469,78.714 137.469,80.125 v1(137.144,80.45) 137.812,81.118 137.812,81.682 137.586,81.908 137.586,82.392 137.844,82.65 137.844,90.85 137.544,91.15 137.544,91.45 137.712,91.618 137.712,92.282 v1(137.144,92.85) 137.812,93.518 137.812,94.082 137.586,94.308 137.586,94.792 137.844,95.05 137.844,103.25 137.544,103.55 137.544,103.85 137.712,104.018 137.712,104.682 v1(137.144,105.25) 137.812,105.918 137.812,106.482 137.586,106.708 137.586,107.192 137.844,107.45 137.844,115.65 137.544,115.95 137.544,116.25 137.712,116.418 137.712,117.082 v1(137.144,117.65)
  Bottom Layer w0.125: v1(114.844,95.2) 114.906,95.138 115.057,95.138 115.393,94.803 115.841,94.803 116.046,94.598 116.046,94.235 116.284,93.998 116.609,93.998 116.844,93.762 116.844,93.438 117.034,93.248 118.126,93.248 118.409,92.964 119.794,92.964 119.969,93.14 119.969,93.542 120.152,93.725 120.532,93.725 120.719,93.538 120.719,92.811 120.88,92.65 121.332,92.65 121.494,92.812 121.494,93.547 121.674,93.728 122.147,93.728 122.319,93.556 122.319,92.83 122.499,92.65 122.878,92.65 123.069,92.841 123.069,93.513 123.231,93.675 123.728,93.675 123.905,93.499 123.905,93.321 123.978,93.247 125.164,93.247 125.169,93.253 125.309,93.253 125.544,93.488 125.544,93.812 125.932,94.2 127.277,94.2 127.543,94.466 127.543,94.974 127.78,95.211 128.288,95.211 129.352,96.275 129.943,96.275 130.519,96.851 130.519,97.725 131.909,99.116 132.372,99.116 133.546,100.29 133.546,101.627 135.141,103.223 135.141,105.453 135.644,105.955 135.644,111.125 135.944,111.425 135.944,114.05 136.144,114.25 136.519,114.25 136.719,114.45 136.719,114.818 137.051,115.15 137.573,115.15 137.769,115.346 137.769,115.837 137.569,116.037 137.311,116.037 137.11,116.238 137.11,116.734 137.326,116.95 137.613,116.95 137.791,117.128 137.791,121.248 v1(138.144,121.6)
DRAM_A15: R54.1 U1.Y12 U3.M7 U4.M7 U5.M7 U6.M7 | length 112
  Top Layer w0.125: U1.Y12@113.644,96.4 v1(114.044,96) ; v1(133.144,79.65) U4.M7@133.544,80.05 ; v1(133.144,92.05) U3.M7@133.544,92.45 ; v1(133.144,104.45) U6.M7@133.544,104.85 ; v1(133.144,116.85) U5.M7@133.544,117.25 ; R54.1@135.469,72.125 135.668,72.324 136.068,72.324 v1(136.094,72.35)
  Inner 2 w0.11: v1(132.141,123.85) 132.141,123.762 132.273,123.631 132.273,122.099 132.491,121.88 132.491,118.491 132.601,118.381 133.144,117.838 v1(133.144,116.85) 133.144,116.45 133.353,116.241 133.353,115.359 133.073,115.079 133.073,114.508 133.541,114.039 133.541,112.685 132.97,112.114 132.97,108.376 132.746,108.153 132.746,105.885 132.979,105.653 132.985,105.653 133.144,105.493 v1(133.144,104.45) 133.144,104.05 133.353,103.841 133.353,102.959 133.073,102.679 133.073,102.108 133.541,101.639 133.541,100.285 132.97,99.714 132.97,95.976 132.746,95.753 132.746,93.485 132.979,93.253 132.985,93.253 133.144,93.093 v1(133.144,92.05) 133.144,91.65 133.353,91.441 133.353,90.559 133.073,90.279 133.073,89.708 133.541,89.239 133.541,87.885 132.97,87.314 132.97,83.576 132.746,83.353 132.746,81.085 132.979,80.853 132.985,80.853 133.144,80.693 v1(133.144,79.65) 133.144,79.186 133.58,78.75 133.58,78.223 133.03,77.674 133.03,77.311 133.546,76.795 133.546,75.319 133.948,74.918 133.944,74.914 133.944,74.525 133.686,74.267 133.686,73.918 133.946,73.658 133.946,72.959 135.016,71.889 135.644,71.889 136.094,72.339 v1(136.094,72.35)
  Bottom Layer w0.125: v1(114.044,96) 114.441,96.398 114.441,97.788 115.473,98.819 116.618,98.819 116.736,98.701 118.795,98.701 121.769,101.674 121.769,102.15 121.164,102.755 121.164,102.995 121.493,103.324 121.74,103.324 122.238,102.826 122.495,102.826 122.803,103.135 122.803,103.376 122.264,103.915 122.264,104.171 122.565,104.471 122.819,104.471 123.39,103.901 123.642,103.901 123.917,104.176 123.917,104.452 123.021,105.348 123.021,105.825 123.966,106.77 124.364,106.77 124.549,106.956 124.549,107.244 123.992,107.802 123.992,108.198 124.319,108.525 125.055,108.525 125.269,108.739 125.269,109.05 124.794,109.525 124.794,109.877 125.2,110.284 125.56,110.284 125.788,110.056 126.13,110.056 126.444,110.371 126.444,111.234 126.203,111.475 125.319,111.475 125.146,111.649 125.146,112.227 125.319,112.4 126.248,112.4 126.469,112.621 126.469,112.887 126.341,113.015 126.109,113.247 125.66,113.247 125.468,113.439 125.468,114.675 125.693,114.9 125.956,114.9 126.383,115.327 127.321,115.327 127.519,115.525 127.519,115.907 127.384,116.041 127.11,116.041 126.888,115.819 126.644,115.819 126.362,116.101 126.362,116.43 126.769,116.837 126.769,118.237 127.457,118.925 128.269,118.925 128.746,119.403 128.746,119.415 129.632,120.3 130.161,120.3 130.794,120.933 130.794,121.764 131.669,122.639 131.669,123.378 v1(132.141,123.85)
DRAM_CAS_B: R62.1 U1.AE16 U3.K3 U4.K3 U5.K3 U6.K3 | length 111.9
  Top Layer w0.125: U1.AE16@117.644,99.6 v1(118.044,100) ; U4.K3@131.944,76.85 v1(132.344,77.25) ; U3.K3@131.944,89.25 v1(132.344,89.65) ; U6.K3@131.944,101.65 v1(132.344,102.05) ; U5.K3@131.944,114.05 v1(132.344,114.45) ; v1(132.525,70.75) 132.57,70.75 R62.1@132.912,71.092
  Inner 2 w0.11: v1(128.794,122.325) 128.396,121.927 128.396,121.207 128.213,121.025 127.268,121.025 127.072,121.221 127.072,122.544 127.288,122.761 127.99,122.761 128.169,122.94 128.169,123.403 127.97,123.602 127.203,123.602 127.019,123.786 127.019,124.346 127.199,124.527 128.384,124.527 128.594,124.317 128.594,123.981 128.846,123.73 131.119,123.73 131.595,123.253 131.595,121.985 131.941,121.639 131.941,117.253 132.344,116.85 v1(132.344,114.45) 132.35,114.444 132.35,113.656 131.964,113.27 131.964,112.609 132.336,112.237 132.336,110.744 132.034,110.442 132.034,110.073 132.344,109.763 132.344,109.25 131.944,108.85 131.944,104.95 132.35,104.544 132.35,102.056 v1(132.344,102.05) 132.344,101.25 131.964,100.87 131.964,100.209 132.336,99.837 132.336,98.344 132.034,98.042 132.034,97.673 132.344,97.363 132.344,96.85 131.944,96.45 131.944,92.55 132.344,92.15 v1(132.344,89.65) 132.344,88.85 131.964,88.47 131.964,87.809 132.336,87.437 132.336,85.944 132.034,85.642 132.034,85.273 132.344,84.963 132.344,84.45 131.944,84.05 131.944,80.15 132.344,79.75 v1(132.344,77.25) 132.344,76.75 131.969,76.375 131.969,75.625 132.644,74.95 132.644,74.505 132.071,73.932 132.071,72.519 132.444,72.146 133.278,72.146 133.505,71.919 133.505,70.2 133.298,69.993 132.656,69.993 132.502,70.147 132.502,70.727 v1(132.525,70.75)
  Bottom Layer w0.125: v1(118.044,100) 119.119,101.075 119.119,106.342 119.782,107.005 119.782,107.245 118.771,108.256 118.771,108.502 119.394,109.125 119.694,109.125 120.169,108.65 120.444,108.65 120.755,108.961 120.755,109.225 120.274,109.706 120.274,110.08 120.029,110.325 119.367,110.325 119.145,110.547 119.145,110.913 119.424,111.192 119.802,111.192 120.119,110.875 120.584,110.875 120.881,110.579 121.198,110.579 121.508,110.889 121.508,111.161 121.023,111.647 121.023,111.854 121.46,112.291 122.234,112.291 123.069,113.126 123.069,113.534 122.594,114.009 122.594,114.3 123.119,114.825 123.63,114.825 124.069,115.264 124.069,115.692 124.369,115.992 124.369,116.375 123.769,116.975 123.769,118.45 123.969,118.65 124.569,118.65 124.719,118.8 124.719,119.468 125.266,120.016 126.326,121.075 126.53,121.075 126.687,121.232 126.687,121.718 126.916,121.948 128.416,121.948 v1(128.794,122.325)
DRAM_CLK0_CAP: C149.1 R52.2 R55.2
DRAM_CLK0_N: R52.1 U1.AE15 U3.J7 U4.J7 U5.J7 U6.J7 | length 116.1
  Top Layer w0.13: U1.AE15@117.644,98.8 117.644,98.76 117.473,98.589 117.473,98.476 117.549,98.4 117.922,98.4 118.15,98.628 118.15,98.825 118.275,98.95 118.285,98.96 120.951,98.96 121.494,99.503 121.494,102.379 121.765,102.65 123.79,102.65 124.29,103.15 124.29,104.274 123.824,104.74 121.635,104.74 121.375,105 121.375,106 121.6,106.225 122.45,106.225 122.945,106.72 122.945,107.701 123.134,107.89 123.134,108.191 122.945,108.38 122.945,110.567 122.522,110.99 119.204,110.99 119.013,111.181 119.013,111.854 119.233,112.075 120.887,112.075 121.32,112.508 121.32,113.089 121.5,113.269 121.5,113.5 121.32,113.68 121.32,114.831 121.614,115.125 123.472,115.125 123.84,115.493 123.84,116.632 123.482,116.99 121.567,116.99 121.325,117.232 121.325,117.875 121.575,118.125 122.964,118.125 123.315,118.476 123.315,123.038 123.88,123.602 124.398,123.602 124.53,123.47 124.745,123.47 124.877,123.602 125.573,123.602 126.242,122.933 127.422,122.933 128.074,123.585 129.543,123.585 129.736,123.391 129.736,123.227 129.459,122.95 v1(129.444,122.95) ; v1(130.636,91.85) 130.636,91.906 131.125,92.394 U3.J7@131.125,92.45 ; v1(130.636,104.25) 130.636,104.296 131.144,104.804 U6.J7@131.144,104.85 ; v1(130.636,116.65) 130.636,116.696 131.144,117.204 U5.J7@131.144,117.25 ; v1(130.641,79.45) 130.641,79.496 131.15,80.004 U4.J7@131.15,80.05 ; v1(131.025,69.725) R52.1@131.025,70.275
  Inner 2 w0.11: v1(129.444,122.95) 129.701,122.693 129.701,122.189 130.55,121.34 130.55,117.584 130.9,117.234 130.9,116.969 130.636,116.706 v1(130.636,116.65) 130.889,116.398 130.889,115.864 130.19,115.165 130.19,114.272 130.54,113.922 130.54,112.547 130.831,112.256 130.831,110.881 130.6,110.65 130.6,105.087 130.889,104.798 ; 130.888,79.999 130.888,79.757 130.641,79.511 v1(130.641,79.45) 130.891,79.2 130.891,78.641 130.338,78.088 130.338,76.895 130.615,76.618 130.615,74.804 130.225,74.414 130.225,73.372 131.331,72.265 131.331,70.031 v1(131.025,69.725) ; 130.888,92.399 130.888,92.157 130.636,91.906 v1(130.636,91.85) 130.889,91.598 130.889,91.064 130.19,90.365 130.19,89.472 130.54,89.122 130.54,87.747 130.831,87.456 130.831,86.081 130.6,85.85 130.6,80.287 130.889,79.998 ; 130.888,104.799 130.888,104.557 130.636,104.306 v1(130.636,104.25) 130.889,103.998 130.889,103.464 130.19,102.765 130.19,101.872 130.54,101.522 130.54,100.147 130.831,99.856 130.831,98.481 130.6,98.25 130.6,92.687 130.889,92.398